# Altium PCB Плата верхняя версия 7.1.PcbDoc (part 2 of 2)
Units mm, origin at the board's own origin, x right, y up, seen from the top; angles counter-clockwise.
Board outline 53 x 45 mm, 4 copper layers (Top Layer, Layer 1, Layer 2, Bottom Layer), stack 1.781 mm thick; 108 components, 170 nets, 791 pads, 471 vias.
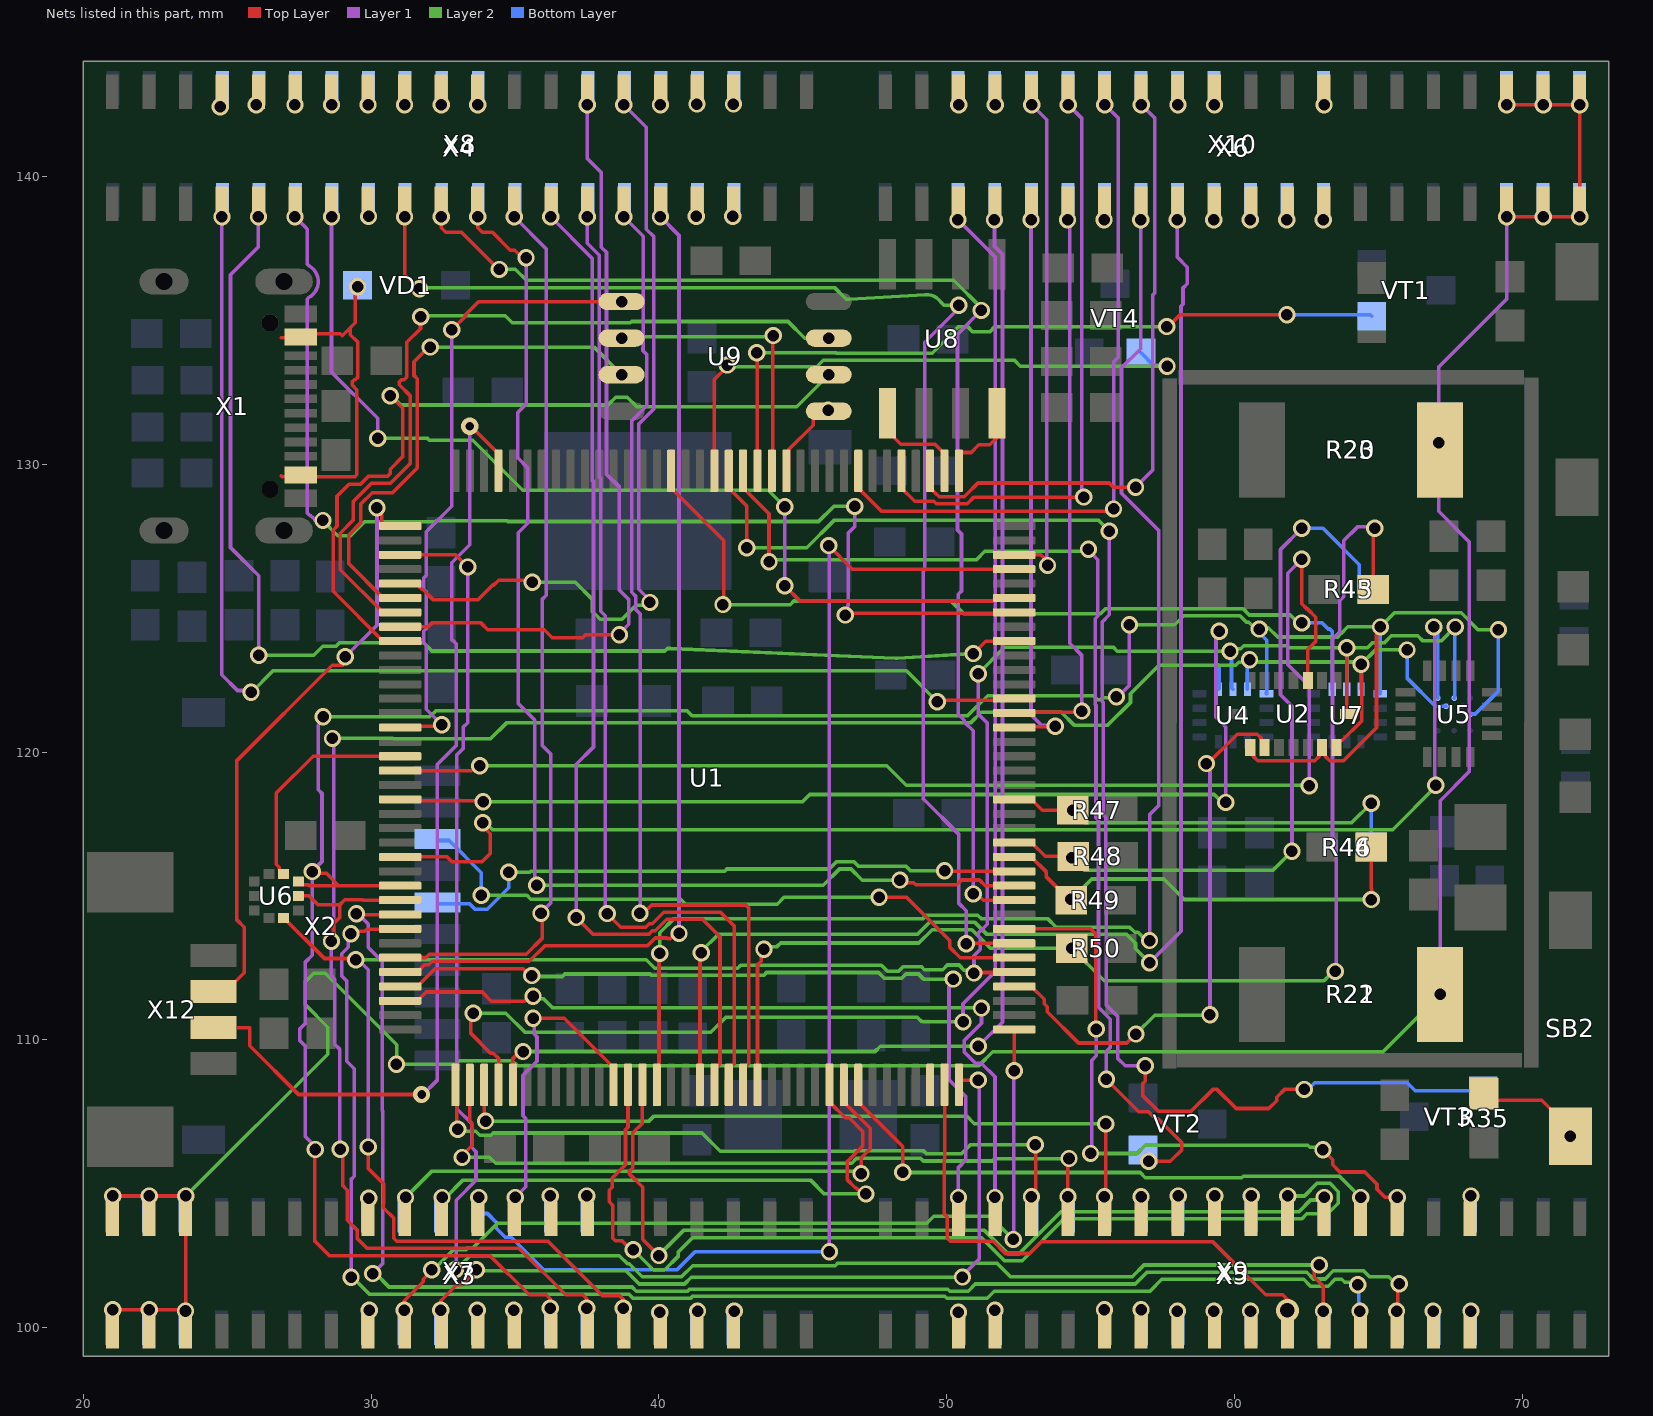
[diagram p4: the nets of this part, all layers, seen from the top]

## Via types
v1: diameter 0.6, hole 0.4, Top Layer to Bottom Layer, 463 vias
v2: diameter 0.8, hole 0.5, Top Layer to Bottom Layer, 4 vias
v3: diameter 0.6, hole 0.3, Top Layer to Bottom Layer, 2 vias
v4: diameter 0.8, hole 0.6, Top Layer to Bottom Layer, 2 vias

## Nets (pads, with @x,y where several pads share a name; then routed paths per layer and width w, separated by ;. In a path a pad name is that pad's centre, name@x,y a point inside that pad or via, vN(x,y) a via of type N, cw(c..) or ccw(c..) an arc to the next point about the centre after c; other vN are vias at no path point) (continued)
NetR35_2: R35.2 SB2.2 | length 4
  Top Layer w0.125: R35.2@68.45,107.9 R35.2@68.675,108.125 ; R35.2@68.675,107.9 70.675,107.9 71.675,106.9 v1(71.675,106.65)
NetR43_1: R43.1 R48.1 U1.50 | length 25.8
  Top Layer w0.125: U1.50@52.345,116.855 52.94,116.855 53.42,116.375 R48.1@54.4,116.375
  Layer 1 w0.125: v1@62.05,116.425 62,116.475 62,121.594 61.6,121.994 61.6,127.037 v1(62.338,127.775)
  Layer 2 w0.125: v1(54.35,116.325) 54.787,115.888 61.338,115.888 v1(62,116.55)
  Bottom Layer w0.125: v1(62.338,127.775) 63.075,127.775 64.338,126.512 64.338,126.087 64.775,125.65 R43.1@64.825,125.65
NetR44_1: R44.1 R49.1 U1.49 | length 15.6
  Top Layer w0.125: U1.49@52.345,116.355 52.94,116.355 53.465,115.83 53.465,115.66 54.275,114.85 R49.1@54.325,114.85 ; R49.1@54.3,114.85 54.3,114.876 v1(54.313,114.888) ; v1(64.75,114.875) 64.775,114.9 64.775,115.225 64.75,115.25 R44.1@64.75,116.7
  Layer 2 w0.125: v1(54.313,114.888) 54.338,114.888 55.038,115.588 57.541,115.588 58.254,114.875 v1(64.75,114.875)
NetR45_1: R45.1 R50.1 U1.22 | length 44.5
  Top Layer w0.125: U1.22@43.425,108.435 43.425,112.6 43.559,112.734 43.559,113.059 v1(43.65,113.15) ; R45.1@64.825,125.65 64.825,127.7 v1@64.875,127.75
  Layer 1 w0.125: v1@63.538,112.253 63.538,116.902 63.408,117.031 63.408,123.932 63.658,124.182 63.658,125.256 63.8,125.398 63.8,127.35 64.275,127.825 v1@64.825,127.825
  Layer 2 w0.125: v1(43.65,113.15) 43.741,113.241 44.105,113.241 44.227,113.363 49.032,113.363 49.499,113.83 50.877,113.83 51.532,113.175 v1(54.35,113.175) 55.475,112.05 63.111,112.05 63.436,112.375 v1(63.5,112.375)
  other v1: 64.875,127.775
NetR46_1: R46.1 R47.1 U1.53 | length 14.5
  Top Layer w0.125: U1.53@52.345,118.355 52.94,118.355 53.32,117.975 v1(54.375,117.975)
  Layer 2 w0.125: v1(54.375,117.975) 54.8,117.55 64.075,117.55 v1(64.75,118.225)
  Bottom Layer w0.125: R46.1@64.75,116.7 v1(64.75,118.225)
NetU1_1: U1.1 X5.10 X9.10 | length 24.1
  Top Layer w0.125: U1.1@32.925,108.435 32.974,108.386 32.974,106.921 v1(33.008,106.888) ; v1(52.943,104.547) 53.1,104.704 v1@53.1,106.4
  Layer 2 w0.125: v1(33.008,106.888) 33.071,106.824 33.636,106.824 33.773,106.687 34.173,106.687 34.248,106.763 41.488,106.763 42.126,106.125 46.802,106.125 46.814,106.138 49.196,106.138 49.296,106.037 50.513,106.037 50.825,106.35 v1(53.075,106.35)
NetU1_2: U1.2 X5.12 X9.12 | length 25.4
  Top Layer w0.125: v1(33.155,105.913) 33.155,105.979 33.511,106.335 33.511,106.95 33.487,106.973 33.487,107.113 33.425,107.175 U1.2@33.425,108.435 ; v1@54.2,105.875 54.213,105.862 v1(54.213,104.547)
  Layer 2 w0.125: v1(33.155,105.913) 34.123,105.913 34.323,105.712 46.698,105.712 46.861,105.875 46.905,105.875 46.918,105.888 49.092,105.888 49.192,105.787 51.574,105.787 51.649,105.862 54.237,105.862 v1(54.25,105.875)
NetU1_3: U1.3 X5.14 X9.14 | length 25.6
  Top Layer w0.125: v1@33.925,107.1 33.925,107.125 U1.3@33.925,108.435 ; v1(55.483,104.547) 55.525,104.589 v1(55.525,107.075)
  Layer 2 w0.125: v1(33.975,107.175) 39.654,107.175 39.829,107.35 50.7,107.35 50.963,107.088 55.512,107.088 v1(55.525,107.075)
NetU1_4: U1.4 X6.5 X10.5 | length 49.4
  Top Layer w0.125: v1(33.549,110.925) 33.465,110.841 33.465,110.221 34.148,109.537 34.245,109.537 34.425,109.357 U1.4@34.425,108.435
  Layer 1 w0.125: v1(50.39,138.5) 51.688,137.202 51.688,112.371 50.567,111.251 v1(50.567,110.621)
  Layer 2 w0.125: v1(33.549,110.925) 34.679,110.925 35.341,110.262 41.803,110.262 42.328,110.788 48.977,110.788 49.144,110.621 v1(50.567,110.621)
NetU1_5: U1.5 X6.7 X10.7 | length 46.5
  Top Layer w0.125: U1.5@34.925,108.435 34.925,109.35 35.168,109.593 v1(35.275,109.593)
  Layer 1 w0.125: v1(51.1,109.775) 51.938,110.613 51.938,137.306 51.66,137.584 v1(51.66,138.5)
  Layer 2 w0.125: v1(35.275,109.593) 47.507,109.593 47.689,109.775 v1(51.1,109.775)
NetU1_12: U1.12 X3.24 X7.24 | length 10.8
  Top Layer w0.125: v1(35.625,110.75) 36.705,110.75 38.425,109.03 U1.12@38.425,108.435
  Layer 1 w0.125: v1(35.003,104.522) 35.375,104.894 35.375,107.265 35.275,107.365 35.275,108.769 35.763,109.256 35.763,110.099 35.662,110.2 35.662,110.713 v1(35.625,110.75)
NetU1_13: U1.13 X5.24 X9.24 | length 35.5
  Top Layer w0.125: U1.13@38.925,108.435 38.925,106.958 38.838,106.871 38.838,105.658 38.375,105.195 38.375,104.879 38.27,104.774 38.27,104.37 38.397,104.243 38.397,103.106 38.493,103.011 38.721,103.011 39.026,102.705 v1(39.105,102.705)
  Layer 2 w0.125: v1(39.105,102.705) 39.798,102.012 40.202,102.012 40.677,102.487 40.677,102.637 41.164,103.125 51.208,103.125 52.009,102.324 52.62,102.324 54.076,103.779 62.346,103.779 62.517,103.95 63.235,103.95 63.605,104.32 63.605,104.724 63.32,105.01 62.869,105.01 62.432,104.572 v1(61.853,104.572)
NetU1_14: U1.14 X5.26 X9.26 | length 31.2
  Top Layer w0.125: U1.14@39.425,108.435 39.425,107.105 39.088,106.767 39.088,105.554 38.976,105.442 38.976,105.339 39.438,104.877 39.438,103.062 v1(40,102.5)
  Layer 2 w0.125: v1(40,102.5) 40,102.521 40.854,103.375 51.312,103.375 52.113,102.574 52.517,102.574 53.972,104.029 62.242,104.029 62.645,104.431 63.027,104.431 v1(63.118,104.522)
NetU1_15: U1.15 X6.15 X10.15 | length 49
  Top Layer w0.125: U1.15@39.925,108.435 40,108.51 40,112.975 v1(40.025,113)
  Layer 1 w0.125: v1(56.74,138.5) 56.74,134.017 56.075,133.352 56.075,128.998 57.363,127.711 57.363,118.132 57.05,117.82 v1(57.05,113.45)
  Layer 2 w0.125: v1(40.025,113) 40.025,113.716 40.522,114.212 49.174,114.212 49.292,114.33 51.084,114.33 51.202,114.212 53.504,114.212 53.804,113.913 56.355,113.913 56.532,113.736 56.646,113.736 56.932,113.45 v1(57.05,113.45)
NetU1_18: U1.18 X6.17 X10.17 | length 47.9
  Top Layer w0.125: U1.18@41.425,108.435 41.425,112.981 v1(41.473,113.029)
  Layer 1 w0.125: v1(57.05,112.675) 58.144,113.769 58.144,135.49 58.213,135.559 58.213,136.13 58.363,136.28 58.363,136.852 58.01,137.204 v1(58.01,138.5)
  Layer 2 w0.125: v1(41.473,113.029) 41.473,113.073 42.063,113.663 48.978,113.663 49.396,114.08 50.98,114.08 51.398,113.663 56.252,113.663 56.562,113.352 56.562,113.163 v1(57.05,112.675)
NetU1_19: U1.19 X4.25 X8.25 | length 36.2
  Top Layer w0.125: v1(37.125,114.25) 37.713,113.662 39.644,113.662 39.77,113.788 39.871,113.788 40.269,114.186 41.515,114.186 42.123,113.578 42.123,109.181 42.049,109.107 42.003,109.107 41.925,109.03 U1.19@41.925,108.435
  Layer 1 w0.125: v1(36.24,138.6) 37.675,137.165 37.675,129.452 37.725,129.402 37.725,120.174 37.125,119.574 v1(37.125,114.25)
NetU1_20: U1.20 X4.27 X8.27 | length 35.2
  Top Layer w0.125: v1(38.2,114.389) 38.676,113.912 39.541,113.912 39.666,114.038 39.767,114.038 40.165,114.436 42.139,114.436 42.623,113.952 42.623,109.181 42.549,109.107 42.503,109.107 42.425,109.03 U1.20@42.425,108.435
  Layer 1 w0.125: v1(37.51,138.6) 37.51,137.684 37.925,137.269 37.925,129.556 37.975,129.506 37.975,124.898 38.138,124.736 38.138,114.451 v1(38.2,114.389)
NetU1_21: U1.21 X4.29 X8.29 | length 35.1
  Top Layer w0.125: v1(39.34,114.4) 39.458,114.4 39.744,114.686 43.019,114.686 43.123,114.582 43.123,109.181 43.049,109.107 43.003,109.107 42.925,109.03 U1.21@42.925,108.435
  Layer 1 w0.125: v1(38.78,138.6) 39.45,137.93 39.45,134.057 39.445,134.051 39.445,133.948 39.575,133.817 39.575,132.031 39.05,131.506 39.05,125.555 39.2,125.405 39.2,124.948 39.35,124.798 39.35,114.41 v1(39.34,114.4)
NetU1_27: U1.27 X3.20 X7.20 | length 20.1
  Top Layer w0.125: U1.27@45.925,108.435 45.925,107.84 46.477,107.288 46.613,107.288 47.088,106.814 47.088,106.313 46.537,105.763 46.537,105.148 46.823,104.862 46.844,104.862 47.063,104.644 v1(47.191,104.644)
  Layer 2 w0.125: v1(32.463,104.522) 32.586,104.522 33.189,105.125 45.265,105.125 45.745,104.644 v1(47.191,104.644)
NetU1_28: U1.28 X3.18 X7.18 | length 19.8
  Top Layer w0.125: U1.28@46.425,108.435 46.425,107.84 47.338,106.927 47.338,106.209 47.025,105.896 v1(47.025,105.35)
  Layer 2 w0.125: v1(31.193,104.522) 32.096,105.425 46.95,105.425 v1(47.025,105.35)
NetU1_29: U1.29 X5.28 X9.28 | length 20
  Top Layer w0.125: U1.29@46.925,108.435 46.925,107.84 48.475,106.29 v1(48.475,105.4)
  Layer 2 w0.125: v1(48.475,105.4) 48.488,105.387 56.723,105.387 56.903,105.208 60.251,105.208 60.303,105.26 63.65,105.26 v1(64.388,104.522)
NetU1_34: U1.34
NetU1_35: U1.35 X5.23 X9.23 | length 18.8
  Top Layer w0.125: U1.35@49.925,108.435 49.925,105.851 49.92,105.846 49.92,103.935 50.022,103.833 50.022,103.106 50.128,103 51.613,103 52.039,102.574 52.488,102.574 52.884,102.574 53.298,102.988 59.237,102.988 61.087,101.137 61.677,101.137 61.84,100.975 v2(61.84,100.6)
NetU1_36: U1.36 X3.19 X7.19 | length 27.1
  Top Layer w0.125: v1(32.413,100.597) 32.413,100.928 32.972,101.487 33.16,101.487 33.648,101.975 v1(33.648,102.012) ; U1.36@50.425,108.435 50.425,108.523 50.503,108.6 v1(51.1,108.6)
  Layer 1 w0.125: v1(50.547,101.753) 50.547,101.797 51.125,102.375 v1@51.125,108.55
  Layer 2 w0.125: v1(33.648,102.012) 33.693,101.968 38.859,101.968 39.314,101.512 40.887,101.512 41.127,101.753 v1(50.547,101.753)
NetU1_37: U1.37 X3.17 X7.17 | length 30.4
  Top Layer w0.125: v1(31.143,100.597) 31.143,100.928 31.805,101.59 31.805,101.678 32.1,101.973 v1(32.1,102.012) ; U1.37@52.345,110.355 52.35,110.35 v1(52.35,108.925)
  Layer 1 w0.125: v1(52.315,103.061) 52.332,103.079 52.332,108.907 v1(52.35,108.925)
  Layer 2 w0.125: v1(32.1,102.012) 32.162,102.012 32.863,102.713 33.293,102.713 33.343,102.763 33.523,102.763 34.386,103.625 49.307,103.625 49.545,103.863 51.514,103.863 v1(52.315,103.061)
NetU1_40: U1.40 U2.14 | length 19.7
  Top Layer w0.125: U1.40@52.345,111.855 52.94,111.855 53.388,111.407 53.388,111.25 53.493,111.145 53.493,110.978 54.583,109.887 56.262,109.887 v1(56.575,110.2) ; v1@59.025,119.55 60.093,120.618 60.792,120.618 60.937,120.472 60.937,120.273 U2.14@61.05,120.16
  Layer 1 w0.125: v1@59.025,119.575 59.15,119.45 v1(59.15,110.875)
  Layer 2 w0.125: v1(56.575,110.2) 57.225,110.85 v1@59.15,110.85
  other v1: 59.025,119.6
NetU1_41: U1.41 U2.8 U4.13 U5.A3 U6.2 U7.13 X3.29 X7.29 | length 82
  Top Layer w0.125: U6.2@26.95,114.235 26.965,114.235 28.375,112.825 29.421,112.825 v1(29.462,112.784) ; v1(29.9,106.275) 29.9,105.525 30.44,104.984 30.44,104.295 30.417,104.272 30.417,104.168 30.777,103.808 30.777,103.106 30.883,103 36.145,103 38.032,101.112 38.623,101.112 38.758,100.977 v1(38.758,100.672) ; v1(50.948,112.32) 50.965,112.338 52.328,112.338 U1.41@52.345,112.355 ; v1(63.9,123.625) 63.9,121.39 U2.8@63.965,121.325
  Layer 1 w0.125: v1(29.462,112.784) 29.552,112.784 29.9,112.436 v1(29.9,106.275) ; v1(50.948,112.32) 50.948,112.926 51.163,113.141 51.163,113.544 51.101,113.606 51.101,113.709 51.413,114.02 51.413,121.012 51.1,121.325 51.1,122.043 51.093,122.05 v1(51.093,122.72)
  Layer 2 w0.125: v1(29.462,112.784) 39.553,112.784 39.849,112.487 42.736,112.487 42.836,112.588 47.73,112.588 47.93,112.388 48.334,112.388 48.483,112.538 49.123,112.538 49.223,112.438 49.862,112.438 50.023,112.598 50.427,112.598 50.614,112.411 50.857,112.411 v1(50.948,112.32) ; v1(51.093,122.72) 52.011,123.638 55.797,123.638 55.932,123.503 v1(59.847,123.503) 59.938,123.594 60.219,123.594 60.323,123.698 61.826,123.698 61.892,123.631 63.894,123.631 v1(63.9,123.625) 64.621,123.625 64.796,123.8 65.214,123.8 65.452,124.038 66.375,124.038 66.55,123.862 67.187,123.862 v1(67.675,124.35)
  Bottom Layer w0.125: v1(59.847,123.503) 59.899,123.451 59.899,122.239 U4.13@59.95,122.188 ; U7.13@63.9,122.188 v1(63.9,123.625) ; U5.A3@67.635,121.876 67.649,121.89 67.649,124.324 v1(67.675,124.35)
NetU1_42: U1.42 X2.3 | length 22.5
  Top Layer w0.125: v1(47.65,114.95) 48.606,114.95 50.1,113.456 50.1,113.228 50.473,112.855 U1.42@52.345,112.855
  Layer 2 w0.125: v1(33.825,115.025) 35.411,115.025 35.548,114.887 40.761,114.887 40.936,114.713 44.11,114.713 44.347,114.95 v1(47.65,114.95)
  Bottom Layer w0.125: X2.3@32.325,116.925 32.71,116.925 33.825,115.81 v1(33.825,115.025)
NetU1_43: U1.43 X4.17 X8.17 | length 46.8
  Top Layer w0.125: v1(31.16,138.6) 31.16,136.59 31.65,136.1 v1(31.675,136.1) ; v1(50.675,113.342) 50.688,113.355 U1.43@52.345,113.355
  Layer 1 w0.125: v1(50.418,135.532) 50.418,135.425 49.238,134.244 49.238,126.334 49.187,126.284 49.187,118.373 50.425,117.136 50.425,114.736 50.675,114.486 v1(50.675,113.342)
  Layer 2 w0.125: v1(31.675,136.1) 31.717,136.142 46.102,136.142 46.47,135.774 46.507,135.738 46.61,135.738 49.261,135.9 cw(c49.297,135.313) 49.721,135.72 49.831,135.606 49.904,135.532 49.921,135.532 v1(50.418,135.532)
NetU1_44: U1.44 X5.30 X9.30 | length 22.4
  Top Layer w0.125: U1.44@52.345,113.855 54.995,113.855 55.175,113.675 v1@55.175,110.375 ; v1(63.075,106.175) 63.075,106.17 63.412,105.833 63.412,105.654 63.66,105.407 64.528,105.407 64.955,104.98 64.955,104.805 65.237,104.522 v1(65.658,104.522)
  Layer 1 w0.125: v1(55,106.05) 55.037,106.087 55.037,109.281 55.2,109.444 v1(55.2,110.375)
  Layer 2 w0.125: v1(55,106.05) 56.611,106.05 56.898,106.337 62.55,106.337 62.622,106.266 62.984,106.266 v1(63.075,106.175)
NetU1_46: U1.46 X4.19 X8.19 | length 42.9
  Top Layer w0.125: v1(32.43,138.6) 32.43,138.225 32.592,138.062 33.138,138.062 v1@34.425,136.775 ; v1(50.925,115.067) 51.054,115.067 51.266,114.855 52.25,114.855 52.298,114.902 U1.46@52.345,114.855
  Layer 1 w0.125: v1(50.925,115.067) 50.925,120.736 50.612,121.048 50.612,121.101 50.4,121.314 50.4,125.482 50.513,125.595 50.513,127.58 50.375,127.718 50.375,134.525 v1(51.2,135.35)
  Layer 2 w0.125: v1(34.45,136.775) 35.011,136.775 35.393,136.392 50.248,136.392 51.225,135.415 v1@51.225,135.336
NetU1_47: U1.47 X4.21 X8.21 | length 42.2
  Top Layer w0.125: v1(33.7,138.6) 33.7,138.225 33.862,138.062 34.213,138.062 34.836,137.439 34.991,137.439 35.254,137.176 v1(35.383,137.176) ; v1(48.375,115.55) 48.466,115.459 48.853,115.459 48.925,115.387 50.346,115.387 50.514,115.555 51.137,115.555 51.337,115.355 U1.47@52.345,115.355
  Layer 1 w0.125: v1(35.383,137.176) 35.383,132.093 35.087,131.798 35.087,130.223 35.438,129.873 35.438,127.948 35.112,127.623 35.112,121.687 35.687,121.112 35.687,115.438 v1(35.75,115.375)
  Layer 2 w0.125: v1(35.75,115.375) 45.711,115.375 46.273,115.938 46.677,115.938 47.064,115.55 v1(48.375,115.55)
NetU1_48: U1.48 X2.5 | length 21.2
  Top Layer w0.125: v1(49.925,115.875) 49.945,115.855 U1.48@52.345,115.855
  Layer 2 w0.125: v1(34.775,115.825) 35.511,115.825 35.548,115.863 42.286,115.863 42.361,115.938 45.92,115.938 46.17,116.188 46.78,116.188 46.93,116.038 48.577,116.038 48.739,115.875 v1(49.925,115.875)
  Bottom Layer w0.125: X2.5@32.325,114.725 33.418,114.725 33.606,114.537 34.027,114.537 34.775,115.286 v1(34.775,115.825)
NetU1_58: U1.58 X6.9 X10.9 | length 19.7
  Top Layer w0.125: U1.58@52.345,120.855 52.368,120.877 53.752,120.877 v1(53.775,120.9)
  Layer 1 w0.125: v1(52.93,138.5) 52.93,121.295 53.288,120.938 53.737,120.938 v1(53.775,120.9)
NetU1_59: U1.59 X6.11 X10.11 | length 19.7
  Top Layer w0.125: U1.59@52.345,121.355 52.38,121.39 54.665,121.39 v1(54.7,121.425)
  Layer 1 w0.125: v1(54.2,138.5) 54.275,138.425 54.275,123.784 54.7,123.359 v1(54.7,121.425)
NetU1_60: U1.60 X4.7 X8.7 | length 44.5
  Top Layer w0.125: v1(49.675,121.75) 49.727,121.802 52.293,121.802 U1.60@52.345,121.855
  Layer 1 w0.125: v1(24.81,138.6) 24.81,122.683 25.352,122.141 25.765,122.141 v1(25.824,122.082)
  Layer 2 w0.125: v1(25.824,122.082) 25.843,122.082 26.586,122.825 48.6,122.825 v1(49.675,121.75)
NetU1_64: U1.64 X4.9 X8.9 | length 42.8
  Top Layer w0.125: v1(50.925,123.425) 51.355,123.855 U1.64@52.345,123.855
  Layer 1 w0.125: v1(26.08,138.6) 26.08,137.562 25.108,136.589 25.108,127.107 26.091,126.124 v1(26.091,123.365)
  Layer 2 w0.125: v1(26.091,123.365) 28.006,123.365 28.317,123.676 28.775,123.676 28.898,123.8 31.823,123.8 32.111,123.512 40.206,123.512 40.257,123.563 40.294,123.6 40.397,123.6 48.225,123.263 ccw(c48.25,123.85) 48.286,123.264 v1(50.925,123.425)
NetU1_66: U1.66 X4.11 X8.11 | length 40.4
  Top Layer w0.125: v1(46.475,124.762) 46.54,124.827 52.318,124.827 U1.66@52.345,124.855
  Layer 1 w0.125: v1(27.35,138.6) 27.738,138.212 27.775,138.175 27.775,136.959 27.812,136.923 27.824,136.91 cw(c27.52,136.35) 27.824,135.79 27.812,135.777 27.775,135.741 27.775,128.309 27.812,128.273 27.824,128.26 cw(c27.52,127.7) 28.024,128.091 28.029,128.086 28.066,128.049 v1(28.322,128.049) ; v1(46.475,124.762) 46.566,124.853 46.566,125.102 46.575,125.111 46.575,127.614 46.8,127.839 v1(46.8,128.538)
  Layer 2 w0.125: v1(28.322,128.049) 28.322,128.04 28.841,127.522 29.291,127.522 29.769,128 32.227,128 32.265,128.038 34.723,128.038 34.748,128.012 45.545,128.012 46.07,128.538 v1(46.8,128.538)
NetU1_67: U1.67 X4.13 X8.13 | length 34.5
  Top Layer w0.125: v1(44.374,125.776) 44.9,125.25 51.599,125.25 51.627,125.277 52.268,125.277 U1.67@52.345,125.355
  Layer 1 w0.125: v1(28.62,138.6) 28.62,133.205 30.225,131.6 v1(30.225,130.9) ; v1@44.374,125.777 v1@44.374,128.524
  Layer 2 w0.125: v1(30.225,130.9) 31.954,130.9 32.017,130.837 33.527,130.837 35.262,129.102 43.798,129.102 v1(44.375,128.525)
NetU1_69: U1.69 X3.22 X7.22 | length 45.2
  Top Layer w0.125: v1(45.9,127.178) 46.723,126.355 U1.69@52.345,126.355
  Layer 1 w0.125: v1(45.9,127.178) 45.913,127.165 45.913,102.65 v1(45.925,102.637)
  Bottom Layer w0.125: v1(33.733,104.522) 33.733,104.077 33.847,103.963 34.037,103.963 34.35,103.65 34.35,103.45 34.663,103.138 34.862,103.138 35.988,102.012 40.63,102.012 41.255,102.637 v1(45.925,102.637)
NetU1_70: U1.70 X6.10 X10.10 | length 17.6
  Top Layer w0.125: U1.70@52.345,126.855 53.268,126.855 53.413,126.709 53.413,126.578 v1(53.504,126.487)
  Layer 1 w0.125: v1(52.955,142.5) 53.475,141.98 53.475,126.517 v1(53.504,126.487)
NetU1_73: U1.73 U8.4 | length 2.7
  Top Layer w0.125: U1.73@50.425,129.775 50.425,130.335 50.503,130.412 50.85,130.412 51.115,130.678 51.497,130.678 51.8,130.98 51.8,131.35 51.73,131.42 U8.4@51.73,131.49
NetU1_74: U1.74 U8.1 | length 3.5
  Top Layer w0.125: U8.1@47.92,131.765 47.92,131.185 48.405,130.7 49.595,130.7 49.925,130.37 U1.74@49.925,129.775
NetU1_75: U1.75 X6.16 X10.16 | length 21.9
  Top Layer w0.125: U1.75@49.425,129.775 49.425,129.18 49.642,128.963 49.653,128.963 49.738,128.877 50.612,128.877 50.697,128.963 51.084,129.35 55.645,129.35 55.795,129.2 v1(56.562,129.2)
  Layer 1 w0.125: v1(56.562,129.2) 57.162,129.8 57.162,135.886 57.227,135.951 57.227,142.037 v1(56.765,142.5)
NetU1_77: U1.77 X6.12 X10.12 | length 21.1
  Top Layer w0.125: U1.77@48.425,129.775 48.425,129.18 48.892,128.713 49.55,128.713 49.635,128.627 50.715,128.627 50.95,128.863 v1(54.763,128.863)
  Layer 1 w0.125: v1(54.225,142.5) 54.687,142.037 54.687,128.938 v1(54.763,128.863)
NetU1_80: U1.80 X6.14 X10.14 | length 24.2
  Top Layer w0.125: U1.80@46.925,129.775 46.925,129.18 47.73,128.375 55.775,128.375 v1@55.85,128.45
  Layer 1 w0.125: v1(55.495,142.5) 55.957,142.037 55.957,133.719 55.8,133.561 v1(55.8,128.45)
NetU1_85: U1.85 U9.5 | length 2.9
  Top Layer w0.125: U1.85@44.425,129.775 44.503,129.852 44.503,130.503 45.357,131.357 45.357,131.626 45.607,131.875 v1(45.875,131.875)
NetU1_86: U1.86 U9.2 | length 10
  Top Layer w0.125: U1.86@43.925,129.775 43.95,129.8 43.95,134.45 v1(43.975,134.475)
  Layer 2 w0.125: v1(38.7,134.385) 38.745,134.43 43.93,134.43 v1(43.975,134.475)
NetU1_87: U1.87 VT1.1 | length 26.2
  Top Layer w0.125: v1(43.4,133.875) 43.413,133.862 43.413,129.787 U1.87@43.425,129.775 ; v1(57.65,134.788) 57.696,134.788 58.109,135.2 v1(61.825,135.2)
  Layer 2 w0.125: v1(43.4,133.875) 46.154,133.875 46.167,133.862 49.494,133.862 50.42,134.788 50.72,134.788 50.895,134.612 51.505,134.612 51.68,134.788 v1(57.65,134.788)
  Bottom Layer w0.125: v1(61.825,135.2) 64.725,135.2 VT1.1@64.775,135.15
NetU1_88: U1.88 VT2.1 | length 38.8
  Top Layer w0.125: U1.88@42.925,129.775 42.925,129.18 43.825,128.28 v1(43.825,126.612) ; v1(55.55,108.625) 56.671,107.504 57.012,107.504 57.254,107.262 57.338,107.262 58.162,106.437 58.162,106.166 57.771,105.775 v1(57.025,105.775)
  Layer 1 w0.125: v1(54.925,127.05) 54.925,127.011 55.25,126.686 55.25,124.723 55.162,124.636 55.162,121.652 55.188,121.627 55.188,117.72 55.275,117.632 55.275,111.132 55.688,110.719 55.688,109.734 55.55,109.596 v1(55.55,108.625)
  Layer 2 w0.125: v1(43.825,126.612) 43.903,126.69 51.04,126.69 51.325,126.975 54.85,126.975 v1(54.925,127.05)
NetU1_89: U1.89 VT3.1 | length 50.1
  Top Layer w0.125: U1.89@42.425,129.775 42.425,129.18 43.05,128.555 v1(43.05,127.1) ; v1(56.9,109.1) 56.9,108.563 56.808,108.471 56.808,108.062 57.358,107.512 58.492,107.512 59.255,108.275 59.395,108.275 60.058,107.613 61.192,107.613 61.465,107.885 61.465,108.002 61.737,108.275 v1(62.425,108.275)
  Layer 1 w0.125: v1(55.65,127.675) 55.65,124.77 55.412,124.532 55.412,121.755 55.438,121.73 55.438,117.823 55.525,117.736 55.525,114.661 55.55,114.636 55.55,111.211 55.938,110.823 55.938,109.362 56.2,109.1 v1(56.9,109.1)
  Layer 2 w0.125: v1(43.05,127.1) 45.133,127.1 46.083,128.05 48.649,128.05 48.661,128.063 55.262,128.063 v1(55.65,127.675)
  Bottom Layer w0.125: v1(62.425,108.275) 62.553,108.275 62.791,108.513 65.999,108.513 66.287,108.225 VT3.1@68.65,108.225
NetU1_90: U1.90 VT4.1 | length 20.4
  Top Layer w0.125: U1.90@41.925,129.775 41.925,132.946 42.374,133.396 v1(42.374,133.451)
  Layer 2 w0.125: v1(42.374,133.451) 42.438,133.387 45.483,133.387 45.708,133.612 52.355,133.612 52.556,133.411 v1(57.656,133.411)
  Bottom Layer w0.125: VT4.1@56.75,133.875 57.188,133.438 57.63,133.438 v1(57.656,133.411)
NetU1_93: U1.93 U7.12 | length 29.2
  Top Layer w0.125: U1.93@40.425,129.775 40.425,129.18 42.25,127.355 42.25,125.15 v1(42.225,125.125)
  Layer 2 w0.125: v1(42.225,125.125) 44.564,125.125 44.689,125.25 50.15,125.25 50.587,124.812 55.353,124.812 55.529,124.988 60.295,124.988 60.52,124.762 61.934,124.762 62.209,124.488 v1(62.338,124.488)
  Bottom Layer w0.125: v1(62.338,124.488) 63.049,124.488 63.259,124.278 63.312,124.278 63.4,124.189 U7.12@63.4,122.188
NetU1_105: U1.105 X12.3 | length 33.8
  Top Layer w0.125: 25.375,110.425 25.775,110.425 25.775,109.795 27.47,108.1 v3(31.75,108.1) ; v3(33.425,131.325) 33.47,131.325 34.425,130.37 U1.105@34.425,129.775
  Layer 1 w0.125: v3@31.725,108.025 32.3,108.6 32.3,119.575 32.95,120.225 32.95,123.762 32.8,123.912 32.8,126.575 33.425,127.2 v3(33.425,131.325)
NetU1_109: U1.109 X12.2 | length 21.1
  Top Layer w0.125: X12.2@24.525,111.675 24.925,111.675 25.582,112.333 25.582,113.913 25.332,114.163 25.332,119.707 28.647,123.022 29.009,123.022 29.009,123.222 v1(29.1,123.313) ; v1(30.2,128.487) 30.2,128.396 30.368,128.229 30.368,127.932 30.445,127.855 U1.109@31.005,127.855
  Layer 1 w0.125: v1(29.1,123.313) 30.2,124.413 v1(30.2,128.487)
NetU1_111: U1.111 X5.25 X9.25 | length 60.7
  Top Layer w0.125: U1.111@31.005,126.855 32.931,126.855 v1(33.35,126.436) ; v1(63.093,100.572) 63.093,101.432 62.775,101.75 62.775,102.052 62.848,102.125 v1@63.1,102.125
  Layer 1 w0.125: v1(32.923,102.012) 32.95,102.04 32.95,104.429 33.643,105.121 33.643,106.114 33.495,106.262 33.495,107.089 32.977,107.607 32.977,119.899 33.2,120.121 33.2,120.871 33.35,121.021 v1(33.35,126.436)
  Layer 2 w0.125: v1(32.923,102.012) 32.946,102.012 33.434,102.5 38.621,102.5 38.903,102.218 38.962,102.218 39.418,101.762 40.783,101.762 41.171,102.15 46.127,102.15 46.217,102.24 51.739,102.24 52.217,101.762 56.444,101.762 56.856,102.175 v1(62.95,102.175)
NetU1_113: U1.113 X4.30 X8.30 | length 28.4
  Top Layer w0.125: U1.113@31.005,125.855 31.6,125.855 31.678,125.777 31.678,125.731 31.751,125.657 31.787,125.657 32.144,125.3 33.714,125.3 34.22,125.805 34.263,125.805 34.432,125.975 35.525,125.975 v1(35.6,125.9)
  Layer 1 w0.125: v1(38.78,142.5) 39.562,141.717 39.562,138.171 39.825,137.909 39.825,131.927 39.3,131.402 39.3,125.659 39.688,125.272 v1(39.688,125.2)
  Layer 2 w0.125: v1(35.6,125.9) 37.094,125.9 37.675,125.319 37.675,124.898 37.961,124.612 38.712,124.612 39.209,125.109 39.597,125.109 v1(39.688,125.2)
NetU1_114: U1.114 U9.3 | length 18.6
  Top Layer w0.125: U1.114@31.005,125.355 30.41,125.355 29.225,126.54 29.225,127.555 29.63,127.96 29.63,128.607 30.036,129.013 30.738,129.013 31.6,129.875 31.6,132.971 31.488,133.084 31.488,133.563 32,134.075 v1(32.05,134.075)
  Layer 2 w0.125: v1(32.05,134.075) 37.74,134.075 v1(38.7,133.115)
NetU1_115: U1.115 U9.7 | length 27.9
  Top Layer w0.125: U1.115@31.005,124.855 30.41,124.855 28.925,126.34 28.925,127.608 29.38,128.064 29.38,128.711 30.007,129.338 30.671,129.338 31.35,130.017 31.35,132.389 30.979,132.761 30.979,132.864 31.052,132.937 31.142,132.937 31.238,133.033 31.238,134.238 31.711,134.711 31.711,135.111 v1(31.725,135.125)
  Layer 2 w0.125: v1(31.725,135.125) 31.763,135.163 34.658,135.163 34.903,134.917 39.006,134.917 39.051,134.963 44.484,134.963 45.061,134.385 v1(45.9,134.385)
NetU1_116: U1.116 X4.28 X8.28 | length 27.1
  Top Layer w0.125: U1.116@31.005,124.355 31.978,124.355 32.111,124.488 33.815,124.488 34.049,124.253 36.018,124.253 36.296,123.975 37.346,123.975 37.446,124.075 v1(38.625,124.075)
  Layer 1 w0.125: v1(37.51,142.5) 37.51,140.628 37.997,140.141 37.997,137.55 38.175,137.372 38.175,129.659 38.625,129.209 38.625,125.627 38.95,125.302 38.95,124.439 38.625,124.114 v1(38.625,124.075)
NetU1_117: U1.117 U9.6 | length 27.7
  Top Layer w0.125: v1(30.662,132.388) 31.1,131.95 31.1,130.27 30.662,129.833 30.662,129.683 30.567,129.588 29.904,129.588 29.629,129.312 29.23,129.312 28.81,128.893 28.81,127.847 28.675,127.712 28.675,125.59 30.41,123.855 U1.117@31.005,123.855
  Layer 2 w0.125: v1(30.662,132.388) 30.702,132.388 31.027,132.063 38.228,132.063 38.498,132.332 38.902,132.332 39.234,132 44.785,132 v1(45.9,133.115)
NetU1_123: U1.123 U9.1 | length 22.3
  Top Layer w0.125: U1.123@31.005,120.855 31.053,120.902 32.402,120.902 v1(32.45,120.95) ; v1(32.8,134.675) 33.275,135.15 33.275,135.2 33.73,135.655 v1(38.7,135.655)
  Layer 1 w0.125: v1(32.45,120.95) 31.912,121.488 31.912,123.711 31.825,123.798 31.825,124.202 31.912,124.289 31.912,125.561 31.825,125.648 31.825,126.052 31.912,126.139 31.912,127.652 32.8,128.539 v1(32.8,134.675)
NetU1_125: U1.125 U6.6 | length 7.8
  Top Layer w0.125: U6.6@26.95,115.765 26.935,115.765 26.822,115.878 26.822,115.931 26.803,115.951 26.803,115.998 26.7,116.101 26.7,118.575 27.98,119.855 U1.125@31.005,119.855
NetU1_126: U1.126 U2.5 | length 44.9
  Top Layer w0.125: U1.126@31.005,119.355 33.476,119.355 33.646,119.525 v1(33.775,119.525) ; v1(62.338,126.7) 62.338,125.158 62.52,124.975 62.539,124.975 62.825,124.689 62.825,123.843 62.55,123.568 U2.5@62.55,122.49
  Layer 1 w0.125: v1(62.338,126.7) 61.85,126.212 61.85,123.044 62.6,122.294 v1(62.6,118.825)
  Layer 2 w0.125: v1(33.775,119.525) 47.914,119.525 48.589,118.85 v1@62.6,118.85
NetU1_128: U1.128 U4.12 | length 36.8
  Top Layer w0.125: U1.128@31.005,118.355 31.046,118.314 33.846,118.314 v1(33.887,118.272)
  Layer 1 w0.125: v1(59.475,124.2) 59.475,124.071 59.36,123.956 59.36,121.212 59.7,120.871 v1(59.7,118.25)
  Layer 2 w0.125: v1(33.887,118.272) 38.446,118.272 38.448,118.275 44.991,118.275 45.241,118.525 59.296,118.525 59.481,118.341 59.516,118.341 v1@59.625,118.45
  Bottom Layer w0.125: v1@59.36,123.956 59.36,123.085 59.462,122.982 59.462,122.2 U4.12@59.45,122.188
NetU1_132: U1.132 U5.A5 | length 46.5
  Top Layer w0.125: U1.132@31.005,116.355 32.642,116.355 32.81,116.187 33.852,116.187 34.137,116.473 34.137,117.156 33.874,117.419 v1(33.874,117.548)
  Layer 1 w0.125: v1(66.925,124.35) 66.963,124.312 66.963,118.888 v1(67,118.85)
  Layer 2 w0.125: v1(33.874,117.548) 33.968,117.548 34.216,117.3 65.5,117.3 67,118.8 v1(67,118.85)
  Bottom Layer w0.125: v1@66.9,124.4 67.069,124.231 U5.A5@67.069,121.876
NetU1_134: U1.134 U2.10 U2.15 U4.1 U5.C1 U6.5 U7.1 X3.25 X7.25 | length 95.2
  Top Layer w0.125: U6.5@27.465,115.5 27.577,115.387 27.808,115.387 27.84,115.355 28.875,115.355 ; v1(27.948,115.848) 28.002,115.794 28.436,115.794 28.875,115.355 ; v1(28.055,106.188) 28.042,106.174 28.042,103.007 28.548,102.5 34.125,102.5 35.487,101.137 36.077,101.137 36.218,100.997 v1(36.218,100.672) ; U1.134@31.005,115.355 28.875,115.355 ; U2.15@60.55,120.16 60.663,120.048 60.663,119.848 60.808,119.703 62.792,119.703 62.937,119.848 62.937,120.048 U2.10@63.05,120.16 63.162,120.048 63.162,119.848 63.308,119.703 63.792,119.703 64.938,120.848 64.938,124.084 65.075,124.221 v1(65.075,124.35)
  Layer 1 w0.125: v1(28.055,106.188) 28.055,106.293 27.712,106.635 27.712,109.773 27.512,109.973 27.512,110.377 27.712,110.577 27.712,112.704 27.948,112.939 27.948,115.859 28.288,116.198 28.288,118.563 28.162,118.688 28.162,120.934 28.325,121.096 v1(28.325,121.225) ; v1(55.9,121.925) 55.953,121.925 56.35,122.322 v1@56.35,124.4
  Layer 2 w0.125: v1(28.325,121.225) 32.036,121.225 32.248,121.438 40.975,121.438 41.15,121.262 50.724,121.262 51.424,121.963 55.091,121.963 55.229,121.825 55.35,121.825 55.412,121.888 55.862,121.888 v1(55.9,121.925) ; v1(56.35,124.425) 57.921,124.425 58.234,124.738 60.191,124.738 60.416,124.512 60.496,124.512 60.734,124.275 v1(60.863,124.275) ; v1@60.863,124.291 61.141,124.291 61.175,124.325 61.5,124 63.586,124 63.698,124.113 63.701,124.113 63.938,124.35 v1(65.075,124.35) 65.563,124.838 67.877,124.838 68.464,124.25 v1(69.175,124.25)
  Bottom Layer w0.125: v1(60.863,124.275) 60.863,124.146 61.125,123.884 61.125,122.087 61.112,122.075 U4.1@61.112,122.025 ; U7.1@65.062,122.025 65.062,124.362 v1@65.075,124.375 ; U5.C1@68.201,121.31 68.215,121.324 68.374,121.324 69.175,122.125 v1(69.175,124.25)
NetU1_135: U1.135 U2.9 U4.14 U5.B4 U6.4 U7.14 X3.27 X7.27 | length 79.3
  Top Layer w0.125: U6.4@27.465,115 27.842,115 28.154,114.687 28.9,114.687 ; v1(28.616,113.428) 28.675,113.487 28.675,114.021 28.9,114.246 28.9,114.687 ; v1(28.925,106.198) 29.013,106.11 29.013,104.935 29.17,104.777 29.17,103.73 29.507,103.393 29.507,103.106 29.863,102.75 35.145,102.75 36.757,101.137 37.347,101.137 37.488,100.997 v1(37.488,100.672) ; U1.135@31.005,114.855 29.717,114.855 29.7,114.871 29.084,114.871 28.9,114.687 ; U2.9@63.55,120.16 63.55,120.28 63.663,120.393 63.732,120.393 64.423,121.083 64.423,123.028 v1(64.4,123.05)
  Layer 1 w0.125: v1(28.616,113.428) 28.616,112.223 28.738,112.102 28.738,109.841 28.9,109.678 28.9,106.223 v1(28.925,106.198) ; v1(28.65,120.475) 28.7,120.425 28.7,113.475 28.675,113.45 v1@28.675,113.428
  Layer 2 w0.125: v1(28.65,120.475) 30.754,120.475 30.767,120.462 34.148,120.462 34.698,121.012 50.827,121.012 51.202,121.388 53.977,121.388 54.427,120.937 55.602,120.937 56.387,121.723 56.387,122.027 57.376,123.015 60.049,123.015 60.153,123.119 60.519,123.119 v1@60.525,123.125 ; v1(60.525,123.21) v1@60.525,123.125 ; v1(66,123.55) 64.9,123.55 v1(64.4,123.05) 64.32,123.13 60.53,123.13 v1@60.525,123.125
  Bottom Layer w0.125: U4.14@60.45,122.188 60.45,123.135 v1(60.525,123.21) ; U7.14@64.4,122.188 v1@64.4,123.025 ; v1(66,123.55) 66,122.574 66.981,121.593 U5.B4@67.352,121.593
NetU1_136: U1.136 X5.29 X9.29 | length 52.3
  Top Layer w0.125: v1(29.484,114.384) 29.527,114.342 30.992,114.342 U1.136@31.005,114.355 ; v1(65.633,100.572) 65.68,100.619 65.68,101.478 v1(65.727,101.525)
  Layer 1 w0.125: v1(29.484,114.384) 29.538,114.384 29.9,114.022 29.9,113.21 30.387,112.723 30.387,107.545 30.4,107.532 30.4,102.225 v1(30.05,101.875)
  Layer 2 w0.125: v1(30.05,101.875) 30.153,101.875 30.618,101.41 39.063,101.41 39.211,101.262 40.99,101.262 41.062,101.335 50.039,101.335 50.108,101.265 50.749,101.265 50.997,101.512 56.547,101.512 56.96,101.925 62.511,101.925 62.748,101.687 63.152,101.687 63.436,101.971 64.486,101.971 64.695,101.762 65.361,101.762 65.598,101.525 v1(65.727,101.525)
NetU1_137: U1.137 X5.27 X9.27 | length 50.9
  Top Layer w0.125: v1(29.294,113.684) 29.385,113.775 29.778,113.775 29.844,113.841 30.991,113.841 U1.137@31.005,113.855
  Layer 1 w0.125: v1(29.294,113.684) 29.203,113.594 29.203,113.214 28.975,112.986 28.975,112.218 29.15,112.043 29.15,109.252 29.412,108.99 29.412,105.257 29.3,105.144 v1(29.3,101.75)
  Layer 2 w0.125: v1@29.35,101.75 29.94,101.16 38.96,101.16 39.107,101.012 41.094,101.012 41.166,101.085 49.935,101.085 50.005,101.015 51.406,101.015 51.654,101.262 57.066,101.262 57.479,101.675 62.407,101.675 62.645,101.437 63.255,101.437 63.493,101.675 63.734,101.675 63.834,101.575 64.193,101.575 v1(64.284,101.484)
  Bottom Layer w0.125: v1(64.284,101.484) 64.323,101.444 64.323,100.612 v1(64.363,100.572)
NetU1_139: U1.139 X4.23 X8.23 | length 31.1
  Top Layer w0.125: U1.139@31.005,112.855 31.893,112.855 32.013,112.975 35.389,112.975 35.95,113.536 35.95,114.35 v1(35.9,114.4)
  Layer 1 w0.125: v1(34.97,138.6) 36.087,137.482 36.087,125.452 35.937,125.302 35.937,120.234 36.238,119.934 36.238,114.752 35.9,114.414 v1(35.9,114.4)
NetU1_140: U1.140 X4.31 X8.31 | length 35.4
  Top Layer w0.125: U1.140@31.005,112.355 31.6,112.355 31.85,112.605 31.996,112.605 32.117,112.725 35.493,112.725 36.043,113.275 39.611,113.275 39.873,113.538 40.277,113.538 40.301,113.514 40.384,113.514 40.568,113.698 v1(40.697,113.698)
  Layer 1 w0.125: v1(40.05,138.6) 40.697,137.953 v1(40.697,113.698)
NetU1_141: U1.141 X5.6 X9.6 | length 27.9
  Top Layer w0.125: U1.141@31.005,111.855 31.6,111.855 32.22,112.475 35.264,112.475 35.505,112.234 v1(35.575,112.234)
  Layer 1 w0.125: v1(50.225,112.111) 50.225,111.982 50.08,111.837 50.08,108.611 50.663,108.028 50.663,105.816 50.408,105.562 v1(50.408,104.522)
  Layer 2 w0.125: v1(35.575,112.234) 35.609,112.2 36.636,112.2 36.723,112.288 39.695,112.288 39.745,112.237 43.636,112.237 43.736,112.338 47.627,112.338 47.826,112.138 48.437,112.138 48.587,112.288 49.019,112.288 49.196,112.111 v1(50.225,112.111)
NetU1_142: U1.142 X5.8 X9.8 | length 28.1
  Top Layer w0.125: U1.142@31.005,111.355 31.6,111.355 31.908,111.662 33.854,111.662 34.176,111.341 35.326,111.341 35.496,111.511 v1(35.625,111.511)
  Layer 1 w0.125: v1(51.209,111.105) 51.209,110.572 50.899,110.263 50.612,109.977 50.612,109.573 50.998,109.188 51.202,109.188 51.678,108.711 v1(51.678,104.522)
  Layer 2 w0.125: v1(35.625,111.511) 35.716,111.42 35.992,111.42 36.304,111.108 51.205,111.108 v1(51.209,111.105)
NetX3_15: X3.15 X7.15
  other v1: 29.928,100.597
NetX3_16: X3.16 X7.16
  other v1: 29.912,104.497
NetX3_21: X3.21 X7.21
  other v1: 33.683,100.597
NetX3_23: X3.23 X7.23
  other v1: 34.953,100.597
NetX3_26: X3.26 X7.26
  other v1: 36.218,104.572
NetX3_28: X3.28 X7.28
  other v1: 37.488,104.572
NetX3_31: X3.31 X7.31
  other v1: 40.028,100.525
NetX3_33: X3.33 X7.33
  other v1: 41.343,100.572
NetX3_35: X3.35 X7.35
  other v1: 42.613,100.572
NetX4_8: X4.8 X8.8
  other v1: 24.75,142.425
NetX4_10: X4.10 X8.10
  other v1: 26,142.5
NetX4_12: X4.12 X8.12
  other v1: 27.35,142.5
NetX4_14: X4.14 X8.14
  other v1: 28.62,142.5
NetX4_15: X4.15 X8.15
  other v1: 29.906,138.617
NetX4_16: X4.16 X8.16
  other v1: 29.89,142.5
NetX4_18: X4.18 X8.18
  other v1: 31.16,142.5
NetX4_20: X4.20 X8.20
  other v1: 32.43,142.5
NetX4_22: X4.22 X8.22
  other v1: 33.7,142.5
NetX4_32: X4.32 X8.32
  other v1: 40.05,142.5
NetX4_33: X4.33 X8.33
  other v1: 41.293,138.622
NetX4_34: X4.34 X8.34
  other v1: 41.318,142.522
NetX4_35: X4.35 X8.35
  other v1: 42.563,138.622
NetX4_36: X4.36 X8.36
  other v1: 42.588,142.522
NetX5_5: X5.5 X9.5
  other v1: 50.408,100.528
NetX5_7: X5.7 X9.7
  other v1: 51.678,100.597
NetX5_13: X5.13 X9.13
  other v1: 55.483,100.622
NetX5_15: X5.15 X9.15
  other v1: 56.753,100.622
NetX5_16: X5.16 X9.16
  other v1: 56.753,104.547
NetX5_17: X5.17 X9.17
  other v1: 58.018,100.572
NetX5_18: X5.18 X9.18
  other v1: 58.043,104.572
NetX5_19: X5.19 X9.19
  other v1: 59.288,100.572
NetX5_20: X5.20 X9.20
  other v1: 59.313,104.572
NetX5_21: X5.21 X9.21
  other v1: 60.558,100.572
NetX5_22: X5.22 X9.22
  other v1: 60.583,104.572
NetX5_31: X5.31 X9.31
  other v1: 66.903,100.572
NetX5_33: X5.33 X9.33
  other v1: 68.218,100.572
NetX5_34: X5.34 X9.34
  other v1: 68.218,104.572
NetX6_6: X6.6 X10.6
  other v1: 50.415,142.5
NetX6_8: X6.8 X10.8
  other v1: 51.685,142.5
NetX6_13: X6.13 X10.13
  other v1: 55.47,138.5
NetX6_18: X6.18 X10.18
  other v1: 58.035,142.5
NetX6_19: X6.19 X10.19
  other v1: 59.28,138.5
NetX6_20: X6.20 X10.20
  other v1: 59.305,142.5
NetX6_21: X6.21 X10.21
  other v1: 60.55,138.5
NetX6_23: X6.23 X10.23
  other v1: 61.82,138.5
NetX6_25: X6.25 X10.25
  other v1: 63.09,138.5
NetX6_26: X6.26 X10.26
  other v1: 63.115,142.5
VBUS: VD1.1 X1.A4_B9 X1.B4_A9 | length 12.2
  Top Layer w0.125: 26.875,129.6 26.912,129.563 27.55,129.563 29.427,129.563 29.5,129.636 29.5,132.595 29.335,132.761 29.335,132.864 29.408,132.937 29.442,132.937 29.538,133.033 29.538,134.237 29.276,134.499 29.276,134.751 ; 26.875,134.4 27.645,134.4 27.783,134.538 28.917,134.538 28.99,134.465 29.276,134.751 ; v1(29.525,136.175) 29.447,136.097 29.447,134.922 29.276,134.751
VCC: R20.1 R21.1 R22.1 R23.1 X3.1 X3.2 X3.3 X3.4 X3.5 X3.6 X6.35 X6.36 X6.37 X6.38 X6.39 X6.40 X7.1 X7.2 X7.3 X7.4 X7.5 X7.6 X10.35 X10.36 X10.37 X10.38 X10.39 X10.40 | length 99.2
  Top Layer w0.125: v1(21.018,100.622) v1(22.288,100.622) 23.558,100.622 v1(23.558,104.572) v1(22.288,104.572) v1(21.018,104.572) ; v1(69.46,138.6) v1(70.73,138.6) ; v1(69.46,142.5) v1(70.73,142.5) v1(72,142.5) v1(72,138.6) v1(70.73,138.6) ; X6.37@70.65,138.52 v1(70.73,138.6)
  Layer 1 w0.125: v1(67.15,111.575) 67.15,118.311 68.163,119.323 68.163,127.302 67.1,128.364 v1(67.1,130.75) 67.1,133.386 69.46,135.746 v1(69.46,138.6)
  Layer 2 w0.125: v1(23.558,104.572) 28.487,109.502 28.487,110.441 27.712,111.216 27.712,112.027 27.998,112.313 28.402,112.313 30.889,109.825 30.889,109.164 v1(30.875,109.15) 32.928,109.15 33.053,109.275 34.903,109.275 35.073,109.105 51.12,109.105 51.602,109.588 65.163,109.588 v1(67.15,111.575)
  other v1: 23.545,100.575
pads on no net: U1.7 U1.8 U1.9 U1.26 U1.45 U1.54 U1.55 U1.63 U1.65 U1.68 U1.71 U1.76 U1.78 U1.79 U1.81 U1.82 U1.91 U1.92 U1.96 U1.97 U1.99 U1.102 U1.106 U1.110 U1.118 U1.119 U1.122 U1.127 U1.133 U2.1 U2.12 U2.13 U2.16 U3.3 U3.5 U3.6 U3.7 U3.14 U3.15 U4.2 U4.3 U4.4 U4.9 U4.10 U4.11 U5.D2 U5.D4 U6.7 U7.2 U7.3 U7.4 U7.9 U7.10 U7.11 X1. X1.A8 X1.B8 X1.S1 X1.S2 X1.S3 X1.S4 X2.9 X2.CD X12.S

## Polygon pours and split planes (outlines as drawn)
GND on Layer 1 "GND_L02_P000" (solid, pour order 0): 73,99 20.025,99 20.025,143.975 20,144 73,144
GND on Bottom Layer "GND_L04_P001" (solid, pour order 1): 72.952,98.937 19.977,98.937 19.977,143.912 19.952,143.937 72.952,143.937
GND on Layer 2 "GND_L03_P002" (solid, pour order 2): 73.002,98.987 20.027,98.987 20.027,143.962 20.002,143.987 73.002,143.987
GND on Top Layer "GND_L01_P003" (solid, pour order 3): 72.943,98.909 19.968,98.909 19.968,143.884 19.943,143.909 72.943,143.909

## Keep-outs
Keep-Out Layer:
  circle w0.25: c5,95 r4.5
  circle w0.25: c155,95 r4.5
  circle w0.25: c155,5 r4.5
  circle w0.25: c5,5 r4.5
  lines w0.254: 2.5,10 2.5,90 10,90 10,97.5 150,97.5 150,90 157.5,90 157.5,10 150,10 150,2.5 10,2.5 10,10 2.5,10

## Silkscreen, mask and mechanical layers (free items; w line width, h text height)
Bottom Overlay:
  drawing of 17 lines, arcs and shapes, not listed
Board Outline:
  lines w0.25: 0,0 160,0 160,100 0,100 0,0

## Dimensions
155,95 to 171.075,107.95 on Board Dimensions
160,100 to 160,0 on Board Dimensions
0,100 to 160,100 on Board Dimensions

## Text inside footprints (layer, text, board x,y; h text height)
X1: Top Assembly "PCB EDGE" at 20.9,126.825 h0.61 r270